# KiCad board 2000ATX.kicad_pcb (continued)
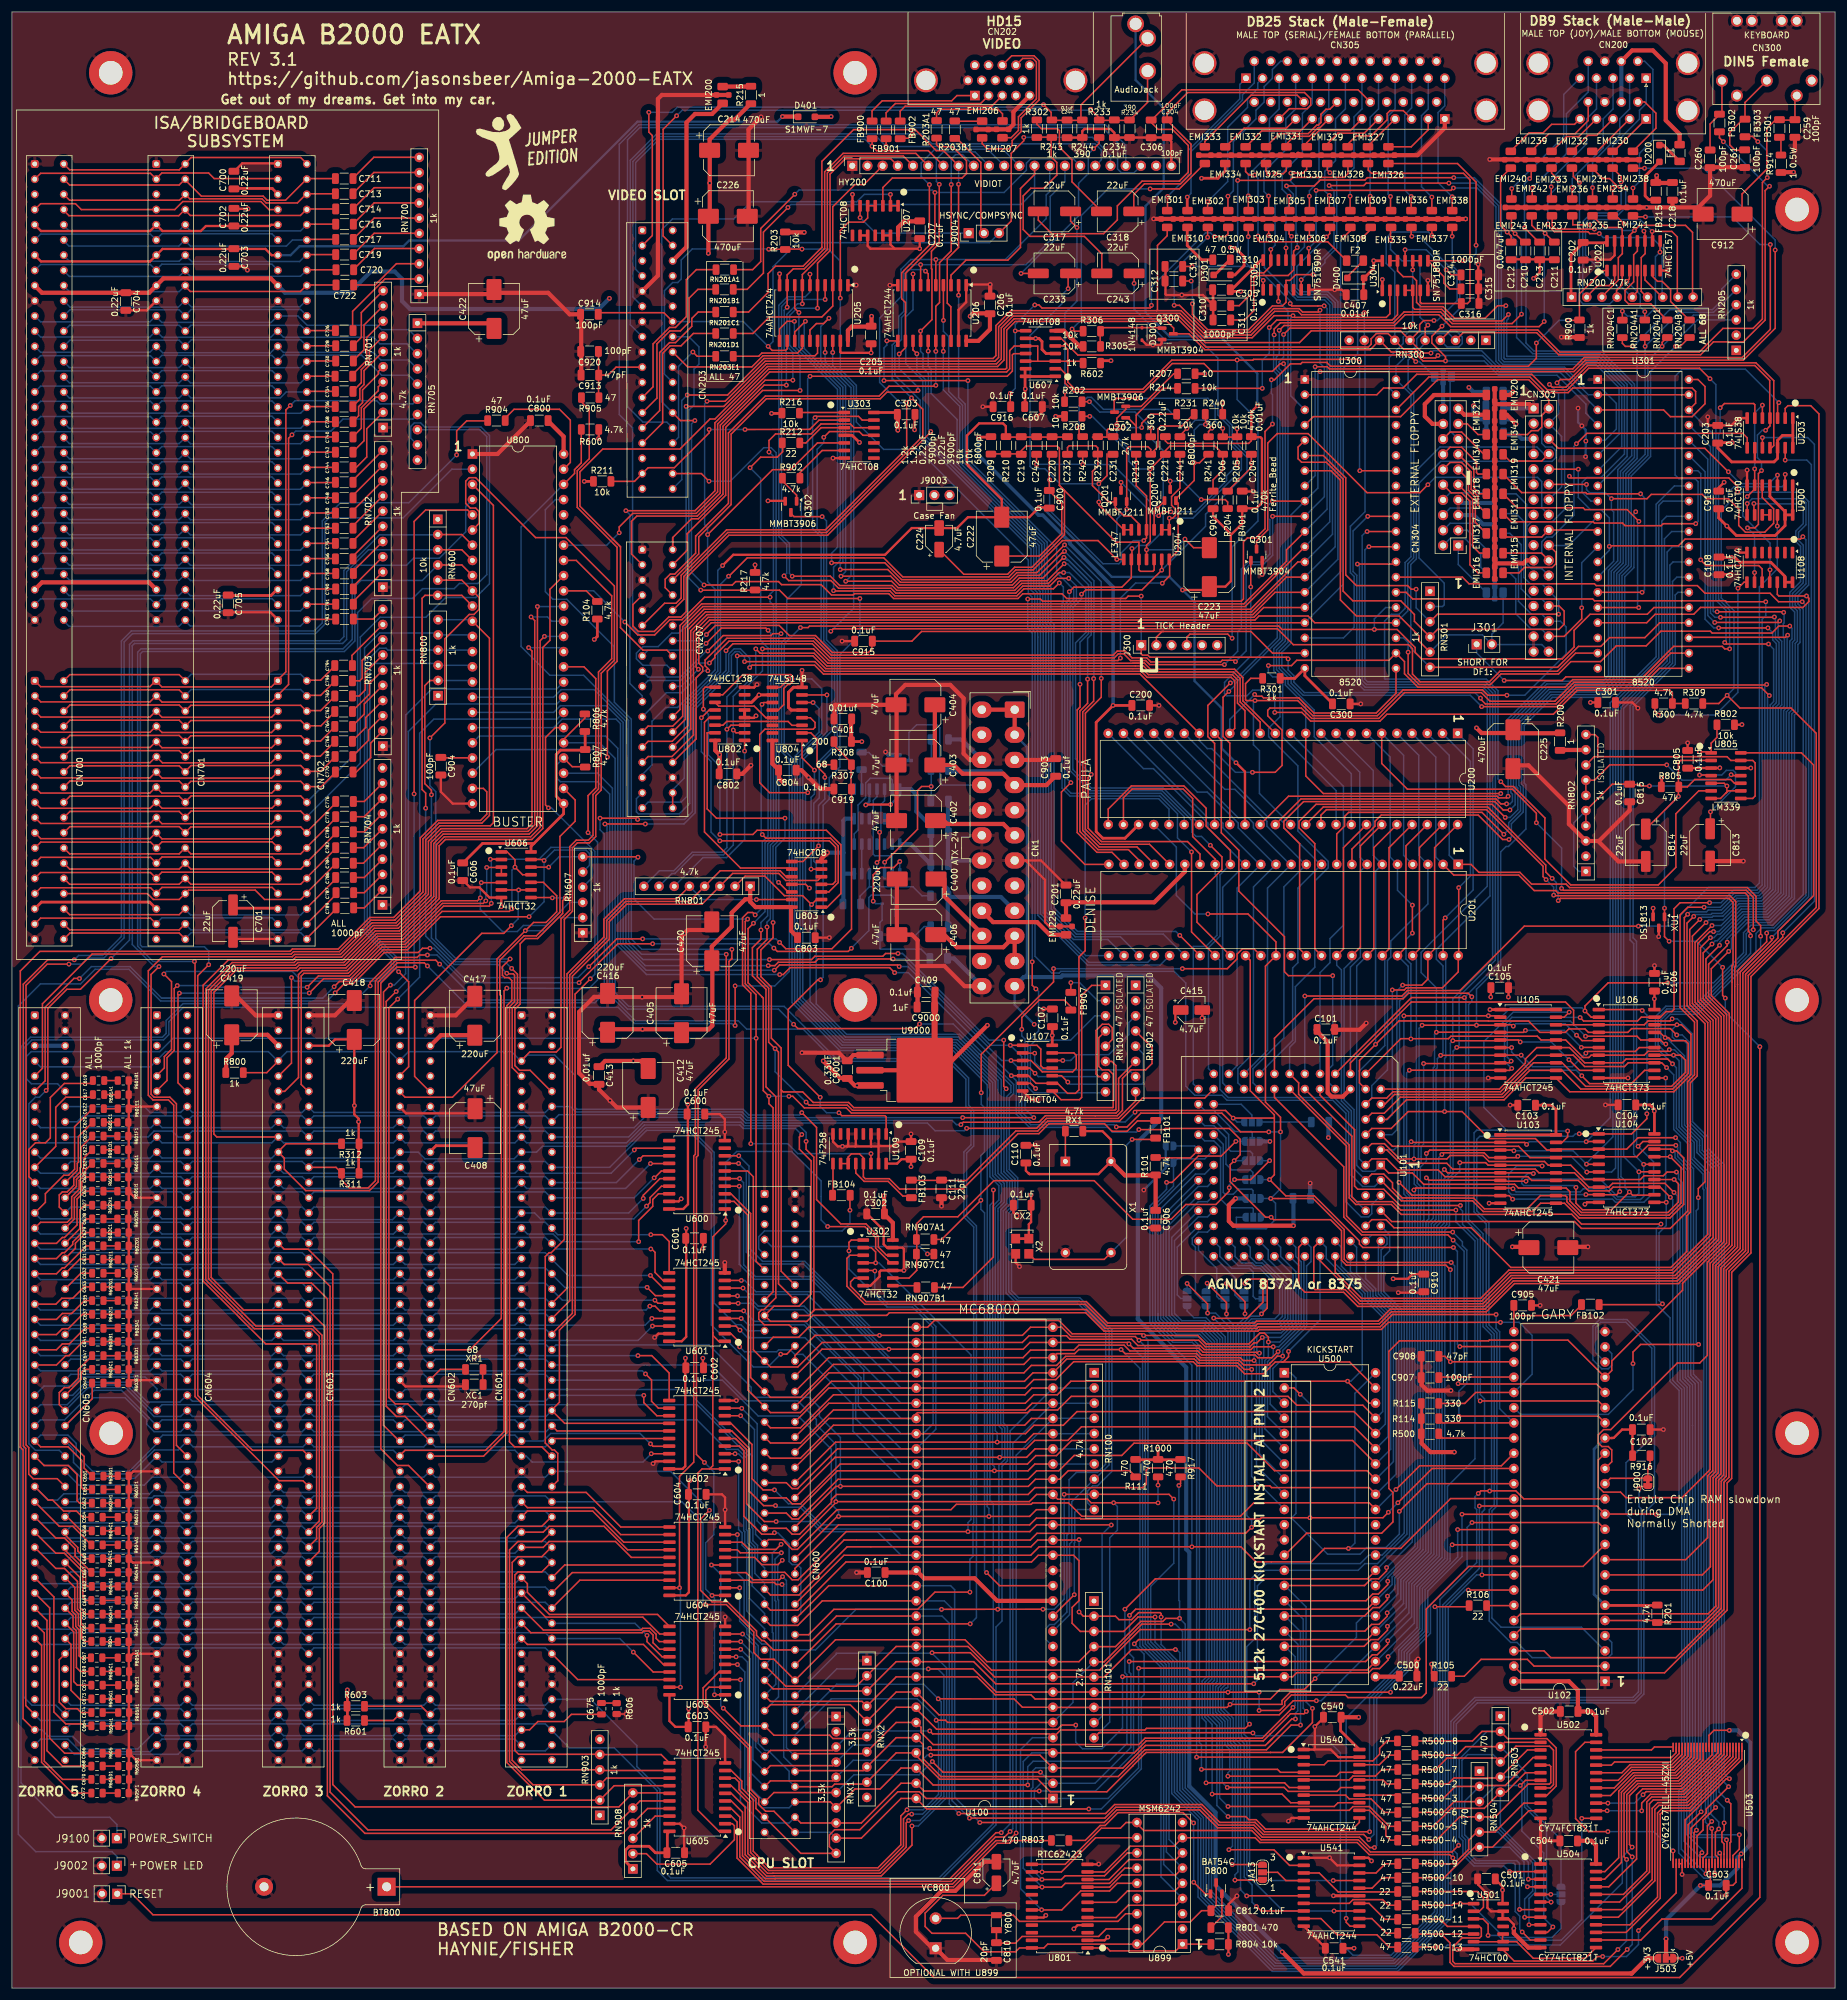
[diagram p0: board, top side]
## Routing (per net, layer and track width the routed paths; a pad name or vN(x,y) marks a point on that pad's centre or on a via; arc(x,y) is an arc through that point) (continued)
D15: length 367.4
  Top w0.25: U104.19 272.68,141.45 v1(271.88,140.65) ; v1(121.27,75.77) U604.9 ; v1(250.9,131.83) 250.32,132.41 U103.9 236.37,132.49 234.04,132.49 v1(231.9,134.62) ; CN600.63 129.35,50.44 141.19,50.44 RNX2.2 147.83,57.07 159.83,57.07 163.78,53.12 181.85,53.12 188.62,59.89 v1(206.96,59.89)
  Bottom w0.25: v1(206.96,59.89) 206.96,68.16 209.72,70.92 225.42,70.92 226.84,72.34 U500.30 229.07,72.34 232.77,76.04 232.77,131.47 231.9,132.33 v1(231.9,134.62) ; CN600.63 126.81,54.94 126.81,56.97 126.3,57.48 125.36,57.48 123.32,59.52 123.32,60.52 122.4,61.44 122.4,68.19 121.27,69.32 121.27,75.77 ; U301.26 278.54,233.22 278.08,232.76 278.08,221.18 271.04,214.14 271.04,175.49 271.61,174.92 271.61,140.91 v1(271.88,140.65) 274.46,138.06 274.46,132.92 272.85,131.31 268.11,131.31 267.59,131.83 v1(250.9,131.83)
DIR: length 16.3
  Top w0.25: EMI317.1 249.92,242.46 255.76,242.46 CN303.18 264.87,243.64
DKWE: length 210.5
  Top w0.25: v1(256.49,185.22) 255.98,185.72 255.98,187.45 246.54,196.9 242.16,196.9 219.76,196.9 218.85,195.99 U200.39 ; U102.8 282.6,69.04 283.96,70.4 283.96,85.42 284.81,86.27 284.81,120.72 288.01,123.92 288.04,167.39 288.04,170.62 288.2,170.78 288.2,181.58 287.24,182.53 257.85,182.53 v1(257.76,182.63)
  Bottom w0.25: v1(257.76,182.63) 257.76,183.95 v1(256.49,185.22)
DMAL: length 62.2
  Bottom w0.25: U101.18 218.69,169.67 220.36,171.34 220.36,175.35 222.61,177.6 222.61,188.56 222.61,188.57 222.61,200.81 U200.12
DMAOUT: length 165
  Top w0.25: 117.17,109.52 117.17,109.06 118.15,108.08 U601.1 ; 117.17,109.52 117.17,87.27 116.64,86.74 ; 117.17,109.52 117.17,125.53 119.32,127.68 v1(119.32,128.25) 119.32,130.03 ; U602.1 116.64,86.74 ; 116.64,86.74 115.37,86.74 114.68,86.06 114.68,29.71 118.2,26.19 U605.1 ; 146.86,121.17 144.4,123.63 144.4,125.43 142.6,127.23 136.39,127.23 v1(136.38,127.25)
  Bottom w0.25: v1(136.38,127.25) 135.28,128.34 135.28,132.25 135.29,134.86 130.36,139.79 121.16,139.79 119.32,137.95 v1(119.32,128.25)
DOE: length 371.6
  Top w0.25: 58.88,44.7 63.75,44.7 64.74,45.69 ; 79.55,261.87 76.02,261.87 74.35,260.2 v1(74.35,256.18) ; CN605.93 2.3,47.2 2.3,90.17 1.9,90.58 1.9,167.74 5.98,171.82 v1(10.41,171.82)
  Bottom w0.25: 85.06,45.69 84.08,44.71 65.72,44.71 64.74,45.69 63.76,44.71 45.4,44.71 44.42,45.69 43.44,44.71 25.08,44.71 24.1,45.69 23.12,44.71 4.76,44.71 3.78,45.69 ; v1(10.41,171.82) 11.14,172.54 15.14,172.54 18.3,175.7 18.3,225.1 19.97,226.77 50.55,226.77 51.89,228.12 51.89,245.16 54.93,248.2 66.36,248.2 v1(74.35,256.18)
DRA0-G: length 131.3
  Top w0.25: U540.2 198.07,38.58 v1(198.06,38.58)
  Bottom w0.25: v1(198.06,38.58) 198.08,107.16 197.33,107.91 194.09,107.91 190.71,111.29 190.71,130.48 194.2,133.98 JA7.1 194.83,138.55 199.41,138.55 U101.42
DRA1-0: length 126.4
  Top w0.25: U540.4 212.08,36.04 211.58,36.54 198.88,36.54 v1(198.87,36.55)
  Bottom w0.25: v1(198.87,36.55) 198.87,40.68 198.53,41.03 198.53,107.35 197.52,108.36 194.28,108.36 191.16,111.48 191.16,130.3 U101.43
DRA2-1: length 131.9
  Top w0.25: U540.6 213.55,33.5 212.77,34.29 v1(199.64,34.29)
  Bottom w0.25: 191.61,111.66 194.46,108.81 198.4,108.81 199.69,107.51 199.69,51.98 198.98,51.27 198.98,45.11 199.64,44.45 v1(199.64,34.29) ; 191.61,111.66 191.61,112.69 ; 191.61,111.66 191.61,112.69 ; U101.44 199.41,136.01 197.88,136.01 191.61,129.74 191.61,112.69
DRA3-2: length 127.6
  Top w0.25: v1(200.66,32.41) 212.35,32.41 213.79,30.96 U540.8
  Bottom w0.25: U101.45 192.06,128.66 192.06,111.85 194.65,109.26 198.58,109.26 200.14,107.7 200.14,51.8 199.43,51.08 199.43,45.3 200.66,44.07 v1(200.66,32.41)
DRA4-3: length 142.1
  Top w0.25: v1(203.32,28.65) 206.28,28.65 206.79,28.14 208.01,28.14 209.58,26.56 224.16,26.56 225.27,27.68 U540.11
  Bottom w0.25: U101.46 199.88,133.94 198.34,133.94 192.51,128.1 192.51,112.04 194.83,109.71 198.77,109.71 200.59,107.88 200.59,51.61 199.88,50.89 199.88,45.49 201.46,43.91 201.46,30.51 v1(203.32,28.65)
DRA5-4: length 133.8
  Top w0.25: v1(203.31,30.34) 221.07,30.34 221.7,30.96 U540.13
  Bottom w0.25: v1(203.31,30.34) 201.91,31.74 201.91,44.19 200.33,45.77 200.33,50.71 201.04,51.43 201.04,108.07 198.96,110.16 195.02,110.16 192.96,112.22 192.96,127.02 U101.47
DRA6-5: length 132.5
  Top w0.25: v1(203.19,33.52) 212.7,33.52 213.36,32.86 221.52,32.86 222.17,33.5 U540.15
  Bottom w0.25: U101.48 199.88,131.4 198.34,131.4 193.47,126.52 193.47,112.35 195.21,110.61 199.14,110.61 201.49,108.25 201.49,51.24 200.78,50.52 200.78,45.95 202.36,44.37 202.36,34.35 v1(203.19,33.52)
DRA7-6: length 125.6
  Top w0.25: v1(203.29,35.4) 221.42,35.4 222.06,36.04 U540.17
  Bottom w0.25: U101.49 193.92,125.44 193.92,112.53 195.39,111.06 199.33,111.06 201.94,108.44 201.94,51.05 201.23,50.34 201.23,46.14 202.81,44.56 202.81,40.65 203.61,39.85 203.61,36.28 203.29,35.96 v1(203.29,35.4)
DRA8: length 103.7
  Top w0.25: JA13.3 v1(204.02,20.63)
  Bottom w0.25: v1(204.02,20.63) 204.51,21.12 204.51,40.22 203.71,41.02 203.71,44.93 202.13,46.51 202.13,49.96 202.84,50.68 202.84,108.81 199.64,112.01 197.61,112.01 196.47,113.16 JA12.3
DRA8-7: length 131.1
  Top w0.25: v1(203.45,23.11) 211,23.09 213.59,20.5 U541.2
  Bottom w0.25: U101.50 199.88,128.86 198.34,128.86 194.37,124.88 194.37,112.72 195.58,111.51 199.52,111.51 202.39,108.63 202.39,50.87 201.68,50.15 201.68,46.33 203.26,44.74 203.26,40.83 204.06,40.03 204.06,23.72 v1(203.45,23.11)
DRA9: length 114.9
  Top w0.25: v1(200.91,111.95) 200.96,111.91 206.45,111.91 209.15,114.6 v1(209.15,117.75) ; JA13.1 v1(204.47,18.03)
  Bottom w0.25: JA8.1 v1(209.15,117.75) ; v1(204.47,18.03) 204.47,18.92 204.96,19.4 204.96,40.41 204.19,41.17 204.19,45.08 202.58,46.7 202.58,49.78 202.95,50.15 203.16,50.15 203.29,50.28 203.29,109.57 203.29,109.57 v1(200.91,111.95)
DRD0: length 276.5
  Top w0.25: 261.09,160.96 U106.3 272.9,160.96 273.54,161.59 277.22,161.59 v1(277.57,161.95) ; 261.09,160.96 261.09,160.97 261.09,163.4 259.73,164.76 233.94,164.76 223.77,154.59 U101.14 ; 261.09,160.96 U105.18 ; 279.73,20.78 279.73,28.09 286.62,34.97 v1(287.14,34.97)
  Bottom w0.25: v1(287.14,34.97) 286.29,35.82 286.29,137.58 283.5,140.36 283.5,142.24 280.98,144.77 280.98,159.42 278.44,161.95 v1(277.57,161.95) ; U101.14 223.77,170.6 225.44,172.27 225.44,186.63 U201.7 225.34,188.98 225.34,203.16 U200.10
DRD1: length 263.8
  Top w0.25: 280.73,20.78 280.73,26.71 283.27,29.24 283.27,29.91 v1(287,33.64) ; v1(278.33,159.26) 277.28,160.31 270.79,160.31 270.16,159.69 U106.4 263.56,159.69 262.99,160.27 260.29,160.27 259.71,159.69 U105.17 255.45,159.69 253.55,161.58 246.85,161.58 246.82,161.61 231.9,161.61 v1(227.98,157.69) 225.3,155.01 225.3,153.27 225.28,153.25 225.28,151.25 U101.13
  Bottom w0.25: v1(227.98,157.69) 227.98,186.63 U201.6 227.59,189.27 227.59,203.45 U200.9 ; v1(287,33.64) 285.84,34.81 285.84,137.39 283.05,140.18 283.05,142.06 280.53,144.58 280.53,157.99 279.26,159.26 v1(278.33,159.26)
DRD2: length 251.4
  Top w0.25: v1(277.09,156.79) 276.82,156.52 273.55,156.52 272.9,155.88 U106.7 264.02,155.88 263.64,155.49 262.69,155.49 259.77,158.42 U105.16 255.65,158.42 255.03,159.04 240.57,159.04 240.17,158.64 232.2,158.64 U101.12 ; v1(234.14,180.95) v1(234.14,176.28) ; v1(284.83,30.17) 283.72,29.06 283.72,29.06 282.73,28.07 282.73,26.41 281.73,25.41 281.73,20.78
  Bottom w0.25: v1(277.09,156.79) 277.96,156.79 279.18,155.58 279.18,144.02 281.7,141.5 281.7,139.62 284.49,136.83 284.49,30.51 v1(284.83,30.17) ; v1(234.14,180.95) 231.65,183.44 U201.5 230.42,188.98 230.42,205.7 U200.7 ; v1(234.14,176.28) 233.06,175.2 233.06,171.97 233.89,171.14 v1(233.89,158.6)
DRD3: length 334.9
  Top w0.25: v1(277.62,154.43) 276.82,155.23 269.86,155.23 269.24,154.61 U106.8 262.94,154.61 260.4,157.15 U105.15 254.94,157.15 253.03,155.24 253.03,154.57 248.68,150.22 U101.11 ; v1(284.19,27.84) 283.46,27.12 283.46,22.46 282.73,21.74 282.73,20.78 ; v1(291.13,176.83) 291.13,182.25 289.95,183.43 259.39,183.43 v1(259.08,183.74) ; v1(254.86,194.72) 254.86,196.32 250.85,200.33 233.35,200.33 233.32,200.3 229.01,204.62 U200.6
  Bottom w0.25: v1(284.19,27.84) 283.59,28.44 283.59,36.27 283.31,36.55 283.31,133.59 283.17,133.74 283.17,136.21 280.8,138.58 280.8,141.12 278.28,143.65 278.28,153.78 v1(277.62,154.43) 274.78,157.28 274.78,162.33 276.51,164.06 281.21,164.06 289.95,172.8 289.95,176.17 290.62,176.83 v1(291.13,176.83) ; U201.4 232.67,189.27 232.67,205.99 U200.6 ; v1(254.86,194.72) 259.08,190.5 v1(259.08,183.74)
DRD4: length 259.7
  Top w0.25: v1(284.19,26.65) 284.23,26.61 284.23,20.78 ; 258.12,155.85 254.96,155.85 248.87,149.77 230.89,149.77 229.84,148.71 227.35,148.71 U101.10 ; U105.14 261.03,155.88 262.93,153.98 269.61,153.98 270.23,154.61 U106.13 275.82,154.61 v1(276.63,153.8)
  Bottom w0.25: U101.10 227.35,148.71 227.35,150.79 229.97,153.42 229.97,171.7 230.52,172.26 230.52,174.95 236.73,181.15 U201.3 235.21,189.27 235.21,205.99 U200.5 ; v1(284.19,26.65) 283.14,27.7 283.14,36.08 282.86,36.36 282.86,133.41 282.72,133.55 282.72,136.03 280.35,138.39 280.35,140.94 277.83,143.47 277.83,152.6 v1(276.63,153.8)
DRD5: length 317.4
  Top w0.25: U106.14 v1(277.8,155.88) 278.97,155.88 279.81,155.04 279.81,153.01 277.47,150.67 263.1,150.67 259.17,154.61 U105.13 254.38,154.61 249.09,149.32 231.15,149.32 229.51,147.68 U101.9 ; 285.23,20.78 285.23,21.77 284.79,22.22 284.79,26.02 v1(285.36,26.58) ; v1(290.68,175.82) 290.68,176.22 290.31,176.58 290.31,182.43 289.76,182.98 258.48,182.98 258.07,183.39 254.51,183.39 251.92,185.98 241.05,185.98 U201.2
  Bottom w0.25: v1(290.68,175.82) 290.68,172.89 281.4,163.61 276.69,163.61 275.23,162.15 275.23,157.58 276.93,155.88 v1(277.8,155.88) 278.73,154.95 278.73,143.84 281.25,141.31 281.25,138.76 283.77,136.25 283.77,36.73 284.04,36.46 284.04,29.06 285.36,27.74 v1(285.36,26.58) ; U201.2 238.04,188.98 238.04,205.7 U200.4
DRD6: length 322.9
  Top w0.25: U101.8 227.35,146.17 229.43,146.17 232.13,148.87 249.27,148.87 253.75,153.34 U105.12 259.17,153.34 262.28,150.22 277.66,150.22 280.26,152.82 280.26,157.84 279.81,158.29 277.48,158.29 276.97,158.8 v1(276.4,158.8) 275.51,159.69 U106.17 ; v1(292.35,175.77) 292.35,177.54 291.58,178.31 291.58,182.43 290.14,183.88 260.42,183.88 259.83,184.47 254.06,184.47 252.1,186.43 245.26,186.43 243.93,187.76 U201.1 ; 286.23,20.78 286.23,22.37 286.24,22.38 286.24,24.1 285.88,24.46 285.88,26.03 286.26,26.41 v1(286.26,27.59)
  Bottom w0.25: v1(286.26,27.59) 286.26,30.06 284.94,31.38 284.94,137.02 282.15,139.8 282.15,141.68 279.63,144.21 279.63,155.76 276.59,158.8 v1(276.4,158.8) 276.4,161.86 277.26,162.71 281.77,162.71 292.35,173.29 v1(292.35,175.77) ; U200.3 240.29,205.99 240.29,189.27 U201.1
DRD7: length 293.6
  Top w0.25: U106.18 v1(278.36,160.96) 279.12,160.96 280.71,159.37 280.71,152.64 277.84,149.77 260.44,149.77 U105.11 253.11,152.07 249.46,148.42 233.14,148.42 229.86,145.14 U101.7 ; U201.48 241.81,169.8 239.14,167.13 233.13,167.13 232.77,166.78 v1(230.78,166.78) ; v1(241.88,183.87) 241.88,172.59 ; v1(286.77,31.38) 287.37,30.78 287.37,24.42 287.23,24.28 287.23,20.78
  Bottom w0.25: v1(278.36,160.96) 277.61,160.21 277.61,158.91 278.07,158.45 279.4,158.45 280.08,157.77 280.08,144.4 282.6,141.87 282.6,139.99 285.39,137.2 285.39,32.77 v1(286.77,31.38) ; v1(241.88,183.87) 243.84,185.83 243.84,204.98 U200.2 ; v1(230.78,166.78) 230.78,145.95 229.97,145.14 U101.7
DRD8: length 246.7
  Top w0.25: 258.29,140.18 U104.3 269.97,140.18 271.88,142.09 v1(278.13,142.09) ; v1(239.62,178.82) 239.27,178.46 U201.47 ; U101.6 227.35,143.63 230.6,143.63 233.43,146.46 v1(239.52,146.46) 242.45,146.46 246.96,141.95 254.7,141.95 256.62,140.03 U103.18 ; 280.23,20.78 280.23,27.28 v1(282.41,29.46)
  Bottom w0.25: v1(282.41,29.46) 282.41,101.26 281.55,102.13 281.55,102.15 281.13,102.56 281.13,136.93 278.94,139.13 278.94,141.28 v1(278.13,142.09) ; 239.71,172.07 239.71,155.54 239.52,155.35 v1(239.52,146.46) ; U200.1 244.3,207.06 244.3,183.49 v1(239.62,178.82)
DRD9: length 233.6
  Top w0.25: 281.23,20.78 281.23,25.98 v1(281.63,26.38) ; U101.5 230.79,140.66 251.91,140.66 253.8,138.76 U103.17 ; 258.29,138.91 U104.4 271.63,138.91 273.54,140.82 v1(278.18,140.82) ; v1(232.5,167.58) 235.71,167.58 236.73,168.6 U201.46 237.85,173.64 237.85,190.56 U200.48
  Bottom w0.25: v1(281.63,26.38) 281.63,29.75 281.96,30.08 281.96,101.08 281.1,101.94 281.1,101.96 280.68,102.38 280.68,136.74 278.49,138.94 278.49,140.51 v1(278.18,140.82) ; U101.5 230.73,142.6 231.54,143.41 231.54,166.62 v1(232.5,167.58)
DRD10: length 232.1
  Top w0.25: U200.47 235.31,190.56 235.31,173.64 U201.45 ; 282.23,20.78 282.23,22.31 v1(282.54,22.62) ; U101.4 227.35,141.09 229.46,141.09 232.01,138.54 v1(234.4,138.54) 239.89,138.54 240.46,139.12 245.94,139.12 246.94,138.12 256.22,138.12 256.85,137.49 U103.16 260.61,137.49 262.99,135.1 U104.7 272.25,135.1 272.89,135.74 276.1,135.74 276.71,136.35 v1(278.28,136.35)
  Bottom w0.25: v1(278.28,136.35) 278.63,136 278.63,135.24 279.33,134.53 279.33,101.82 279.75,101.4 279.75,101.38 280.52,100.61 280.52,32.92 280.01,32.41 280.01,25.66 282.54,23.12 v1(282.54,22.62) ; U201.45 234.8,171.9 234.8,141.22 234.4,140.82 v1(234.4,138.54)
DRD11: length 231
  Top w0.25: U200.46 233.06,190.85 233.06,173.93 U201.44 ; 283.23,20.78 283.23,19.09 v1(283.22,19.08) ; U101.3 229.86,140.06 232.1,137.81 239.88,137.81 240.85,136.85 254.68,136.85 255.3,136.22 U103.15 261.24,136.22 263.63,133.83 U104.8 266.99,133.83 267.61,134.46 276.36,134.46 v1(277.88,132.94)
  Bottom w0.25: v1(277.88,132.94) 278.43,132.38 278.43,101.42 279.62,100.24 279.62,33.29 279.11,32.78 279.11,23.19 v1(283.22,19.08) ; U201.44 233.44,170.72 233.44,166.38 231.99,164.93 231.99,141 231.05,140.06 U101.3
DRD12: length 235.7
  Top w0.25: U201.43 230.23,173.64 230.23,190.56 U200.45 ; U101.2 227.35,138.55 229.83,138.55 231.69,136.69 238.47,136.69 239.58,135.58 253.46,135.58 254.08,134.95 U103.14 261.87,134.95 263.62,133.21 267.06,133.21 267.69,133.83 U104.13 275.56,133.83 v1(277.27,132.13) ; 284.73,20.78 284.73,19.05 v1(284.73,19.04)
  Bottom w0.25: v1(284.73,19.04) 284.04,18.35 282.87,18.35 278.66,22.57 278.66,32.97 279.17,33.48 279.17,100.05 277.67,101.55 277.67,131.73 v1(277.27,132.13) ; 229.52,172.1 229.52,157.49 228.3,156.26 228.29,156.26 225.28,153.25 225.28,138.55 U101.2
DRD13: length 247.5
  Top w0.25: U104.14 v1(277.9,135.1) 278.6,134.4 278.6,131.33 276.86,129.59 262.39,129.59 260.48,131.51 260.48,133.05 259.85,133.68 U103.13 251.86,133.68 251.24,134.31 236.03,134.31 234.14,136.19 230.17,136.19 U101.1 ; U201.42 227.69,173.64 227.69,190.56 U200.44 ; 285.73,20.78 285.73,22.35 v1(285.52,22.57)
  Bottom w0.25: v1(285.52,22.57) 284.85,21.9 282.2,21.9 279.56,24.54 279.56,32.59 280.07,33.11 280.07,100.42 278.88,101.61 278.88,134.12 v1(277.9,135.1) ; U101.1 227.82,136.48 225.82,136.48 224.83,137.47 224.83,170.78 U201.42
DRD14: length 259.8
  Top w0.25: U104.17 v1(277.24,138.91) 279.05,137.1 279.05,131.15 277.05,129.14 262.21,129.14 259.96,131.38 259.96,132.17 259.72,132.41 U103.12 255.53,132.41 253.32,130.2 246.18,130.2 244.39,131.99 237.55,132.03 232.45,132.03 230.81,133.67 230.81,134.55 229.35,136.01 227.35,136.01 U101.84 ; U201.41 225.44,173.93 225.44,190.85 U200.43 ; v1(286.65,24.76) 286.73,24.68 286.73,20.78
  Bottom w0.25: U201.41 224.03,171.65 222.72,170.35 222.72,148.43 224.38,146.77 224.38,136.91 U101.84 ; v1(286.65,24.76) 286.25,25.16 281.14,25.16 280.46,25.85 280.46,29.85 280.97,30.37 280.97,93.98 280.97,93.99 280.97,100.8 280.2,101.57 280.2,101.59 279.78,102 279.78,136.37 v1(277.24,138.91)
DRD15: length 265.5
  Top w0.25: U200.42 222.61,190.56 222.61,173.64 U201.40 ; v1(288.8,25.61) 288.8,23.21 287.73,22.15 U503.45 ; U104.18 277.32,140.18 v1(277.61,139.89) 278.33,139.89 279.5,138.72 279.5,130.96 277.23,128.69 262.02,128.69 259.57,131.14 U103.11 255.56,131.14 254.18,129.75 245.99,129.75 244.2,131.54 232.29,131.54 U101.83
  Bottom w0.25: U201.40 221.49,170.9 222.27,170.12 222.27,148.24 223.93,146.58 223.93,135.83 225.82,133.94 227.82,133.94 U101.83 ; v1(277.61,139.89) 277.89,139.89 278.04,139.74 278.04,138.75 280.23,136.56 280.23,102.19 280.65,101.78 ; 280.65,101.75 281.42,100.98 281.42,30.18 280.91,29.66 280.91,26.03 281.32,25.61 v1(288.8,25.61)
E: length 538.7
  Top w0.25: 75.89,103.38 71.63,103.38 69.82,101.57 ; CN600.50 137.98,78.81 v1(138.21,78.81) v1(163.34,78.81) 170.15,78.81 171.28,79.93 U100.20 ; U301.25 274.54,230.68 273.41,229.56 263.85,229.56 261.17,226.88 261.17,224.09 259.19,222.11 235.66,222.11 234.6,223.17 234.6,224 231.58,227.02 212.35,227.02 211.79,227.58 133.35,227.58 133.1,227.33 v1(131.83,227.33)
  Bottom w0.25: 8.86,101.57 9.84,102.55 28.2,102.55 29.18,101.57 30.16,102.55 48.52,102.55 49.5,101.57 50.48,102.55 68.84,102.55 69.82,101.57 70.8,102.55 89.16,102.55 90.14,101.57 ; v1(131.83,227.33) 129.11,224.62 129.11,206.85 130.41,205.56 130.41,164.68 138.43,156.66 157.33,156.66 163.05,150.93 163.05,80.43 163.34,80.14 v1(163.34,78.81) ; v1(138.21,78.81) 138.21,79.62 136.99,80.84 136.99,90.03 131.44,95.58 124.77,95.58 118.78,101.57 CN601.50 ; v1(227.77,227.01) 227.77,228.79 229.67,230.68 U300.25
E7M: length 313.6
  Top w0.25: v1(164.08,133.35) 164.08,122.16 158.99,117.07 154.17,117.07
  Bottom w0.25: v1(164.08,133.35) 164.08,131.39 163.5,130.81 163.5,81.5 164.06,80.94 164.06,27.46 155.01,18.41 110.14,18.41 108.33,20.22 108.33,33.16 104.48,37.01 104.48,40.51 96.75,48.23 CN601.92 ; 90.14,48.23 89.16,47.25 70.8,47.25 69.82,48.23 68.84,47.25 50.48,47.25 49.5,48.23 48.52,47.25 30.16,47.25 29.18,48.23 28.2,47.25 9.84,47.25 8.86,48.23
ECDAC: length 194.4
  Top w0.25: v1(159.61,143.66) 171.31,143.66 172.96,145.32 184.97,145.32 187.86,148.21 RN902.8
  Bottom w0.25: 24.1,144.75 25.08,143.77 43.44,143.77 44.42,144.75 45.4,143.77 63.76,143.77 64.74,144.75 65.72,143.77 84.08,143.77 85.06,144.75 86.04,143.77 104.02,143.77 105.73,145.49 121.69,145.49 122.64,144.54 153.05,144.54 154.33,143.26 159.21,143.26 v1(159.61,143.66) ; 3.78,144.75 4.76,143.77 ; CN604.15 23.25,143.77 4.79,143.77 CN605.15
FC0: length 195.1
  Top w0.25: v1(165.4,25.96) 164.51,25.96 156.84,18.29 127.61,18.29 127.59,18.27 125.96,18.27 122.13,22.09 122.13,29.39 120.25,31.27 U605.5 ; U100.28 170.51,100.25 169.38,99.13 137.34,99.13 131.84,93.62 126.81,93.62 CN600.31
  Bottom w0.25: v1(165.4,25.96) 166.88,27.44 166.88,93.1 U100.28 180.92,100.25
FC1: length 192.8
  Top w0.25: v1(166.88,26.16) 165.95,25.23 164.43,25.23 157.01,17.82 125.77,17.82 121.68,21.9 121.68,28.57 120.25,30 U605.4 ; U100.27 170.56,97.71 169.43,96.59 137.34,96.59 131.84,91.08 126.81,91.08 CN600.33
  Bottom w0.25: 180.92,97.71 U100.27 167.33,91.01 167.33,26.62 v1(166.88,26.16)
FC2: length 190.5
  Top w0.25: CN600.35 126.81,88.54 131.84,88.54 137.34,94.05 169.32,94.05 170.45,95.17 U100.26 ; v1(167.89,25.91) 166.62,24.64 164.51,24.64 157.24,17.37 125.58,17.37 121.23,21.72 121.23,27.75 120.25,28.73 U605.3
  Bottom w0.25: RN100.4 174.07,95.2 ; U100.26 167.89,89.03 v1(167.89,25.91)
FLTLEFT: length 116.2
  Top w0.25: v1(172.47,314.71) 173.74,313.43 173.74,312.09 178.72,312.09 178.72,314.68 CN205.T ; v1(106.48,313.44) 106.48,310.13 107.06,309.55 107.06,292.84 CN203.3
  Bottom w0.25: v1(106.48,313.44) 110.38,313.43 111.24,314.29 172.05,314.29 v1(172.47,314.71)
FLTRIGHT: length 109.5
  Top w0.25: 181.77,312.09 186.85,312.09 189.86,315.1 CN205.R ; 181.77,312.52 v1(180.34,313.94) ; CN203.4 108.86,292.77 108.86,310.59 v1(111.13,312.85)
  Bottom w0.25: v1(111.13,312.85) 112.06,313.78 180.18,313.78 v1(180.34,313.94)
G0: length 121.2
  Top w0.25: v1(148.34,273.05) 149.38,274.09 U206.12 149.38,281.65 148.75,282.28 148.75,286.6 153.39,291.23 v1(153.39,301.34) ; CN207.6 114.82,239.64 114.82,242.48 120.24,247.89 120.24,259.66 126.14,265.57 145.17,265.57 146.27,266.67 151.21,266.67 v1(151.49,266.94)
  Bottom w0.25: v1(151.49,266.94) 151.49,267.47 148.34,270.62 v1(148.34,273.05) ; v1(153.39,301.34) 152.01,302.72 152.01,304.98 154.3,307.27 163.12,307.27 HY200.11
G1: length 132.9
  Top w0.25: CN207.7 103.82,231.18 103.82,227.58 104.72,226.69 107.4,226.69 109.81,229.1 111.84,229.1 112.78,230.04 112.78,235.69 119.86,242.77 136.37,242.77 153.61,260.01 v1(153.61,260.1) ; U206.14 151.92,276.89 v1(151.91,276.89) 153.81,278.79 153.81,287.21 153.73,287.29 153.73,290.22 155.04,291.53 v1(155.04,301.39)
  Bottom w0.25: v1(155.04,301.39) 154.55,301.87 154.55,305.63 155.74,306.82 161.03,306.82 HY200.10 ; v1(153.61,260.1) 153.22,260.48 153.22,269.82 152.32,270.72 152.32,273.08 151.91,273.49 v1(151.91,276.89)
G2: length 114.2
  Top w0.25: v1(154.46,267.82) 154.31,267.67 146.64,267.67 144.98,266.02 125.95,266.02 119.79,259.85 119.79,248.08 114.36,242.65 114.3,242.65 114.3,239.76 110.81,236.27 110.06,236.27 109.21,235.42 109.21,234 CN207.8 ; v1(154.46,273.49) 154.46,273.5 U206.16 154.46,281.02 155.08,281.64 155.08,288.31 157.04,290.27 v1(157.04,301.37)
  Bottom w0.25: HY200.9 158.94,306.37 157.76,306.37 157.04,305.64 v1(157.04,301.37) ; v1(154.46,273.49) v1(154.46,267.82)
G3: length 93.3
  Top w0.25: 156.97,275.27 156.97,280.94 156.37,281.54 156.37,288.97 158.26,290.86 v1(158.26,301.42) ; RN201C1.1 123.15,280.06 126.41,283.32 126.41,286.47 127.67,287.72 132.27,287.72 135.42,290.88 135.41,290.89 135.41,305.24 140.71,310.54 151.02,310.54 154.54,307.02 155.74,307.02 HY200.8
  Bottom w0.25: 158.27,301.43 HY200.8
M0H: length 152.5
  Top w0.25: v1(249.43,192.79) 245.76,196.45 223.48,196.45 222.8,195.78 222.8,194.16 221.49,192.85 U201.9 ; v1(275.89,274.32) 275.89,275 276.76,275.87
  Bottom w0.25: v1(249.43,192.79) 250.24,193.6 250.24,194.73 252.21,196.71 252.21,200.69 251.94,200.97 251.94,211.34 257.17,216.57 266.76,216.57 268.74,218.55 268.74,236.19 270.28,237.73 270.28,252.87 273.51,256.1 273.51,268.53 273.5,268.54 273.5,271.93 v1(275.89,274.32) 281.13,279.55 286.56,279.55 RN205.4
M0V: length 182.5
  Top w0.25: v1(271.02,274.32) 269.75,274.32 269.24,274.83 269.24,275.84 ; U201.38 215.28,173.64 215.28,191.23 212.64,193.87 212.64,194.95 215.94,198.25 247.92,198.25 249.32,196.85 v1(250.44,196.85)
  Bottom w0.25: RN205.6 285.85,283.92 285.85,282.02 284.29,280.45 277.15,280.45 v1(271.02,274.32) 271.71,273.63 271.71,255.58 269.38,253.25 269.38,238.11 267.84,236.56 267.84,218.92 266.38,217.47 256.8,217.47 251.04,211.71 251.04,200.55 251.31,200.27 251.31,197.72 v1(250.44,196.85)
M1H: length 148.5
  Top w0.25: 280.47,275.87 278.92,274.32 v1(278.13,274.32) ; v1(250.29,191.92) 249.22,191.92 245.14,196 228.93,196 227.88,194.95 227.88,194.16 224.03,190.31 U201.8
  Bottom w0.25: RN205.3 281.79,278.74 278.13,275.08 v1(278.13,274.32) 273.95,270.14 273.95,269.1 273.96,269.09 273.96,255.92 270.73,252.69 270.73,237.55 269.19,236 269.19,218.36 266.94,216.12 257.36,216.12 252.39,211.15 252.39,201.16 252.66,200.88 252.66,196.52 250.69,194.55 250.69,192.32 v1(250.29,191.92)
M1V: length 176.1
  Top w0.25: U201.39 217.82,173.64 217.82,191.23 215.18,193.87 215.18,194.95 218.03,197.8 247.46,197.8 v1(249.66,195.61) ; v1(273.05,274.32) 273,274.37 273,275.87
  Bottom w0.25: v1(249.66,195.61) 250.48,195.61 251.76,196.89 251.76,200.51 251.56,200.71 251.51,200.71 251.49,200.74 251.49,211.52 256.98,217.02 266.57,217.02 268.29,218.73 268.29,236.38 269.83,237.92 269.83,253.06 273.05,256.28 v1(273.05,274.32) 278.73,280 284.47,280 RN205.5
Mcc: length 60.5
  Top w0.25: 288.73,20.78 288.73,22.09 289.07,22.43 v1(289.11,22.43) 289.11,22.47 289.08,22.44 ; v1(287.13,43.06) 287.12,43.07 284.57,43.07 283.73,42.24 283.73,40.28 ; v1(282.3,17.14) 282.32,17.16 C503.1 ; 283.95,17.38 283.95,19.42 283.73,19.63 283.73,20.78
  Top w0.7: v1(276.55,8.22) 276.55,5.04
  Bottom w0.7: 276.5,8.23 276.49,8.22 v1(276.55,8.22) 276.55,11.39 v1(282.3,17.14) 285.59,17.14 288.5,20.05 288.5,21.82 v1(289.11,22.43) 290.59,23.91 290.59,41 288.53,43.06 v1(287.13,43.06)
OVL: length 295.3
  Top w0.25: v1(286.36,224.84) 286.61,224.59 v1(293.67,224.59) ; v1(281.18,179.07) 280.05,177.95 280.05,164.16 283.06,161.14 283.06,134.73 281.94,133.6 v1(281.94,132.08) ; v1(271.02,104.34) 271.02,106.27 272.29,107.54 v1(281.99,107.54) ; v1(283.9,268.91) 282.14,270.67 263.61,270.67 259.99,267.05 256.7,267.05 254.09,269.65 234.86,269.65 232.57,267.37 229.32,267.37 228.19,266.24 U300.2
  Bottom w0.25: v1(281.99,107.54) 281.59,107.94 281.59,129.89 281.94,130.24 v1(281.94,132.08) ; 283.92,268.88 284.87,267.93 284.87,231.92 286.58,230.21 286.58,225.06 v1(286.36,224.84) ; v1(271.02,104.34) 271.02,99.99 266.88,95.85 252.23,95.85 U102.30 ; v1(281.18,179.07) 281.18,179.32 281.24,179.38 284.04,179.38 284.23,179.57 285.87,179.57 288.39,182.1 292.32,182.1 293.96,183.74 293.96,214.39 294.54,214.97 294.54,223.73 v1(293.67,224.59)
PBUSY: length 266.4
  Top w0.25: v1(237.24,273.2) 235.86,273.2 RN300.6 ; RN300.6 232.16,276.91 217.22,276.91 215.27,274.96 199.52,274.96 195.09,279.39 167.37,279.39 165.41,277.42 165.41,272.21 164.59,271.4 126.12,271.4 119.01,264.29 v1(112.71,264.29) ; RN300.6 235.36,276.96 235.36,277.98 236.02,278.64 v1(237.74,278.64) ; 233.93,294.15 233.93,292.81 v1(234.04,292.71) ; U301.39 U301.2
  Bottom w0.25: v1(112.71,264.29) 112.7,233.53 112.7,227.61 111.5,226.41 110.3,226.41 108.03,224.15 105.49,224.15 104.4,223.06 104.4,222.11 105.49,221.03 109.48,221.03 CN207.18 ; v1(237.24,273.2) 237.64,273.6 245.7,273.6 248.9,270.4 259.38,270.4 263.54,266.24 U301.2 ; v1(237.74,278.64) 238.31,278.64 241.61,281.94 241.61,286.36 235.26,292.71 v1(234.04,292.71)